# Altium PCB Graviton-EC2.PcbDoc (part 1 of 12) (continued)
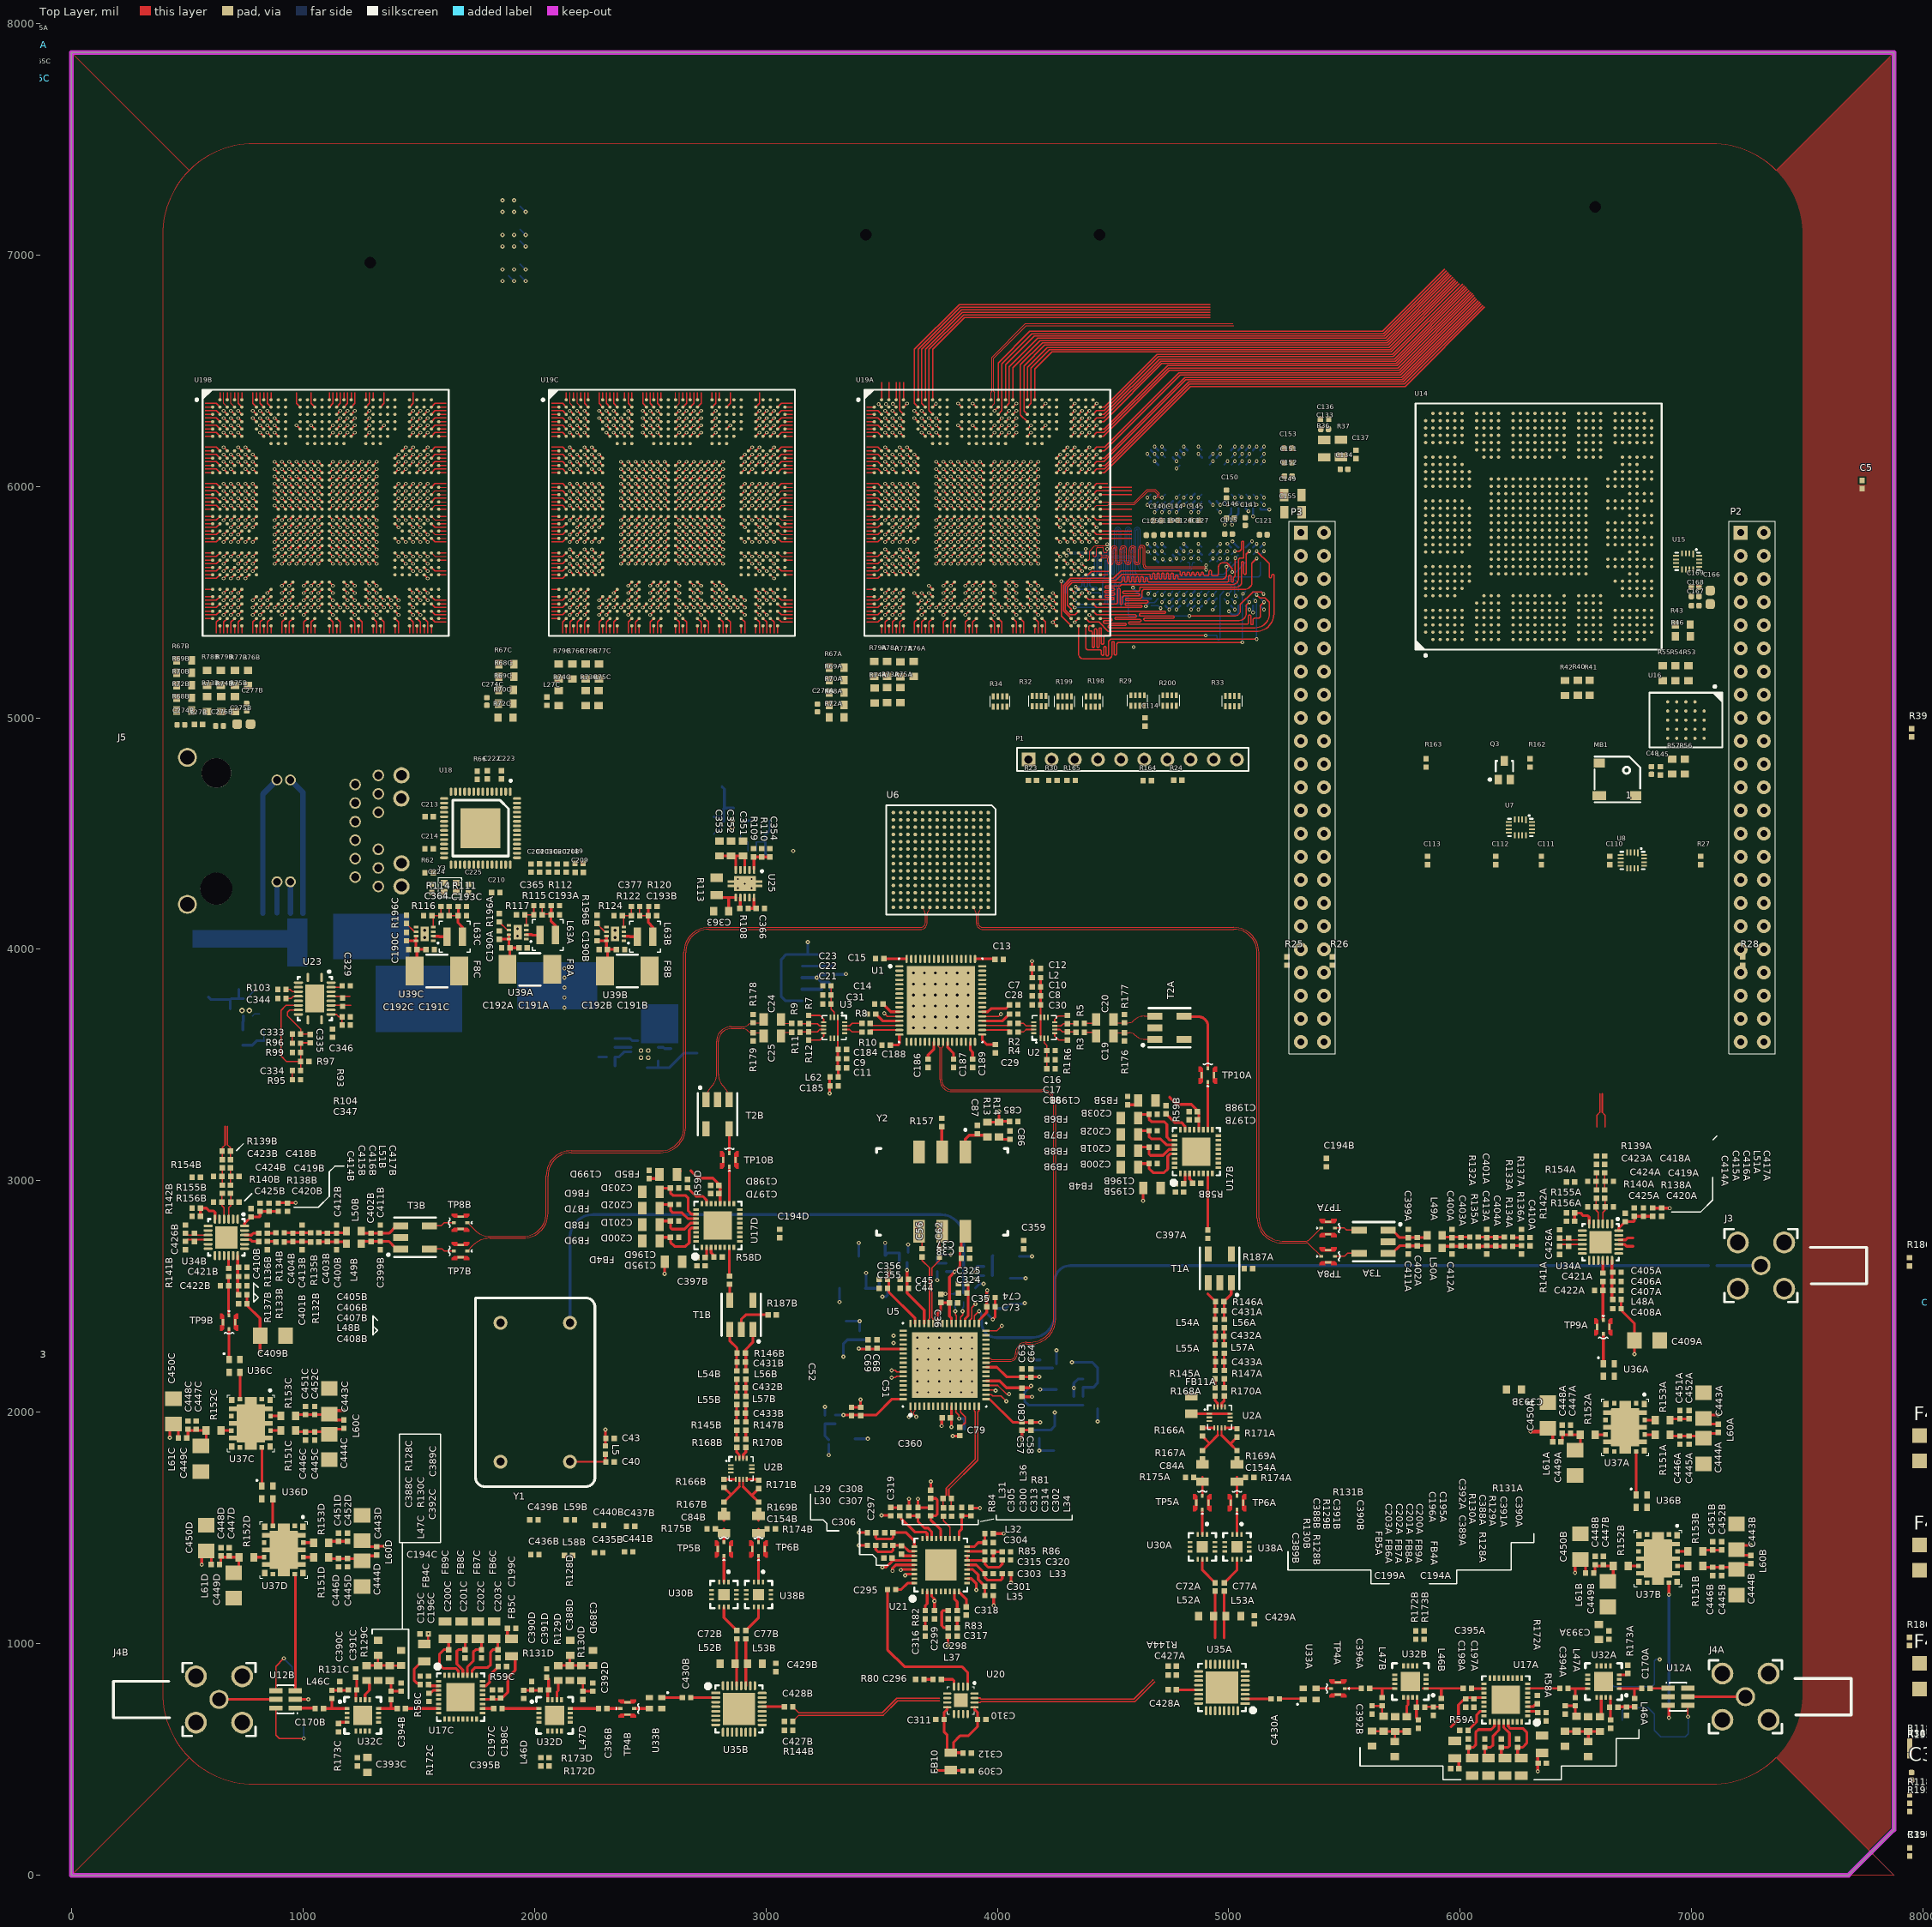
[diagram p0: Top Layer view]
## Design rules (kind name [scope] priority, off if disabled: settings) (continued)
RoomDefinition U_clock-dist [InComponentClass('U_clock-dist')] p64: confinementstyle=ConfineIn formatcopy=TRUE lockcomponents=FALSE outline 7851.17,4738.49 9819.68,4738.49 9819.68,5132.19 7851.17,5132.19
RoomDefinition U_clock [InComponentClass('U_clock')] p65: confinementstyle=ConfineIn formatcopy=TRUE lockcomponents=FALSE outline 15795.28,-1618.11 18622.05,-1618.11 18622.05,1854.33 15795.28,1854.33
RoomDefinition U_ADC [InComponentClass('U_ADC')] p66: confinementstyle=ConfineIn formatcopy=TRUE lockcomponents=FALSE outline 15962.4,4966.54 15962.4,7761.81 15273.43,7761.81 15273.43,4966.54
RoomDefinition CONFIGPWR [InComponentClass('CONFIGPWR')] p67: confinementstyle=ConfineIn formatcopy=TRUE lockcomponents=FALSE outline 7949.6,2376.28 11788.18,2376.28 11788.18,2671.56 7949.6,2671.56
RoomDefinition CONFIG8 [InComponentClass('CONFIG8')] p68: confinementstyle=ConfineIn formatcopy=TRUE lockcomponents=FALSE outline 98.43,19232.28 6791.34,19232.28 6791.34,19822.83 98.43,19822.83
RoomDefinition CONFIG2 [InComponentClass('CONFIG2')] p69: confinementstyle=ConfineIn formatcopy=TRUE lockcomponents=FALSE outline 9271.65,13149.61 11133.86,13149.61 11133.86,13480.32 9271.65,13480.32
RoomDefinition CONFIG0 [InComponentClass('CONFIG0')] p70: confinementstyle=ConfineIn formatcopy=TRUE lockcomponents=FALSE outline 15425.2,16244.09 17503.94,16244.09 17503.94,17035.43 15425.2,17035.43
RoutingVias BGA [WithinRoom('BGA_U19A') Or WithinRoom('BGA_U19B') Or WithinRoom('BGA_U19C')] p1: holewidth=6 width=12 viastyle="Through Hole" minholewidth=6 minwidth=12 maxholewidth=6 maxwidth=12
RoutingVias [All] p2: holewidth=28 width=50 viastyle="Through Hole" minholewidth=28 minwidth=50 maxholewidth=28 maxwidth=50
SilkToSolderMaskClearance SilkscreenOverComponentPads [IsPad] p1: minsilkscreentomaskgap=10 clearancetoexposedcopper=TRUE
SolderMaskExpansion [All] p1: expansion=4
Width Width_BGA [WithinRoom('BGA_U19A') Or WithinRoom('BGA_U19B') Or WithinRoom('BGA_U19C')] p1: maxlimit=4.72 minlimit=4.72 preferedwidth=4.72
Width [All] p2: maxlimit=19685.04 minlimit=3 preferedwidth=5.51 toplayer_prefwidth=4.72 bottomlayer_prefwidth=4.72 minimp=50.000000 maximp=50.000000 favimp=50.000000
23 further rules are at their usual default settings.

## Classes and differential pairs
net class DDR-ALL: BANK3-DDRCTRL.CASN BANK3-DDRCTRL.CKE BANK3-DDRCTRL.CLK_N BANK3-DDRCTRL.CLK_P BANK3-DDRCTRL.CSN BANK3-DDRCTRL.ODT BANK3-DDRCTRL.RASN BANK3-DDRCTRL.RSTN BANK3-DDRCTRL.WEN BANK3-DQS32.DQM0 BANK3-DQS32.DQM1 BANK3-DQS32.DQM2 BANK3-DQS32.DQM3 BANK3-DQS32.DQS0_N BANK3-DQS32.DQS0_P BANK3-DQS32.DQS1_N BANK3-DQS32.DQS1_P BANK3-DQS32.DQS2_N BANK3-DQS32.DQS2_P BANK3-DQS32.DQS3_N BANK3-DQS32.DQS3_P DDR-A0 DDR-A1 DDR-A2 DDR-A3 DDR-A4 DDR-A5 DDR-A6 DDR-A7 DDR-A8 DDR-A9 DDR-A10 DDR-A11 DDR-A12 DDR-A13 DDR-A14 DDR-A15 DDR-BA0 DDR-BA1 DDR-BA2 DDR-D0 DDR-D1 DDR-D2 DDR-D3 DDR-D4 DDR-D5 DDR-D6 DDR-D7 DDR-D8 DDR-D9 DDR-D10 DDR-D11 DDR-D12 DDR-D13 DDR-D14 DDR-D15 DDR-D16 DDR-D17 DDR-D18 DDR-D19 DDR-D20 DDR-D21 DDR-D22 DDR-D23 DDR-D24 DDR-D25 DDR-D26 DDR-D27 DDR-D28 DDR-D29 DDR-D30 DDR-D31
net class DDR-DQS0: BANK3-DQS32.DQM0 BANK3-DQS32.DQS0_N BANK3-DQS32.DQS0_P DDR-D0 DDR-D1 DDR-D2 DDR-D3 DDR-D4 DDR-D5 DDR-D6 DDR-D7
net class DDR-DQS1: BANK3-DQS32.DQM1 BANK3-DQS32.DQS1_N BANK3-DQS32.DQS1_P DDR-D8 DDR-D9 DDR-D10 DDR-D11 DDR-D12 DDR-D13 DDR-D14 DDR-D15
net class DDR-DQS2: BANK3-DQS32.DQM2 BANK3-DQS32.DQS2_N BANK3-DQS32.DQS2_P DDR-D16 DDR-D17 DDR-D18 DDR-D19 DDR-D20 DDR-D21 DDR-D22 DDR-D23
net class DDR-DQS3: BANK3-DQS32.DQM3 BANK3-DQS32.DQS3_N BANK3-DQS32.DQS3_P DDR-D24 DDR-D25 DDR-D26 DDR-D27 DDR-D28 DDR-D29 DDR-D30 DDR-D31
net class DDR-DQS: BANK3-DQS32.DQS0_N BANK3-DQS32.DQS0_P BANK3-DQS32.DQS1_N BANK3-DQS32.DQS1_P BANK3-DQS32.DQS2_N BANK3-DQS32.DQS2_P BANK3-DQS32.DQS3_N BANK3-DQS32.DQS3_P
net class digital: ADC-CTRL-3V3.CTRL1 ADC-CTRL-3V3.CTRL2 ADC-CTRL-3V3.RESET ADC-CTRL-3V3.SCLK ADC-CTRL-3V3.SDATA ADC-CTRL-3V3.SDOUT ADC-CTRL-3V3.SEN ADC-CTRL.CTRL1 ADC-CTRL.CTRL2 ADC-CTRL.RESET ADC-CTRL.SCLK ADC-CTRL.SDATA ADC-CTRL.SDOUT ADC-CTRL.SEN ADC-D0_N ADC-D0_P ADC-D1_N ADC-D1_P ADC-D2_N ADC-D2_P ADC-D3_N ADC-D3_P ADC-D4_N ADC-D4_P ADC-D5_N ADC-D5_P ADC-D6_N ADC-D6_P ADC-D7_N ADC-D7_P ADC-D8_N ADC-D8_P ADC-D9_N ADC-D9_P ADC-D10_N ADC-D10_P ADC-D11_N ADC-D11_P ADC-D12_N ADC-D12_P ADC-D13_N ADC-D13_P ADC-D14_N ADC-D14_P ADC-D15_N ADC-D15_P ADC-DCLK_N ADC-DCLK_P ADC-SYNC_N ADC-SYNC_P BANK3-DDRCTRL.CASN BANK3-DDRCTRL.CKE BANK3-DDRCTRL.CLK_N BANK3-DDRCTRL.CLK_P BANK3-DDRCTRL.CSN BANK3-DDRCTRL.ODT BANK3-DDRCTRL.RASN BANK3-DDRCTRL.RSTN BANK3-DDRCTRL.WEN BANK3-DQS32.DQM0 BANK3-DQS32.DQM1 BANK3-DQS32.DQM2 BANK3-DQS32.DQM3 BANK3-DQS32.DQS0_N BANK3-DQS32.DQS0_P BANK3-DQS32.DQS1_N BANK3-DQS32.DQS1_P BANK3-DQS32.DQS2_N BANK3-DQS32.DQS2_P BANK3-DQS32.DQS3_N BANK3-DQS32.DQS3_P BBBGPIO0-30 BBBGPIO0-31 BBBGPIO1-16 BBBGPIO2-11 BBBGPIO2-13 BBBGPIO2-15 BBBGPIO3-14 BBBGPIO3-15 BBBGPIO3-18 CFG_CS1N CFG_CSN CFG_SPI_DQ0 CFG_SPI_DQ1 CFG_SPI_DQ2 CFG_SPI_DQ3 CFG_SPI_SN CFG_WRITEN CLK-CTRL.C\S\ CLK-CTRL.CSN CLK-CTRL.LD1 CLK-CTRL.LD2 CLK-CTRL.RESET CLK-CTRL.SCK CLK-CTRL.SDIO CLK-CTRL.SEL0 CLK-CTRL.SEL1 DAC-CTRL.RESETN DAC-CTRL.SCLK DAC-CTRL.SDENN DAC-CTRL.SDIO DAC-CTRL.SDO DAC-CTRL.SLEEP DAC-CTRL.TXENABLE DAC-LVDS.DAC-D0_N DAC-LVDS.DAC-D0_P DAC-LVDS.DAC-D1_N DAC-LVDS.DAC-D1_P DAC-LVDS.DAC-D2_N DAC-LVDS.DAC-D2_P DAC-LVDS.DAC-D3_N DAC-LVDS.DAC-D3_P DAC-LVDS.DAC-D4_N DAC-LVDS.DAC-D4_P DAC-LVDS.DAC-D5_N DAC-LVDS.DAC-D5_P DAC-LVDS.DAC-D6_N DAC-LVDS.DAC-D6_P DAC-LVDS.DAC-D7_N DAC-LVDS.DAC-D7_P DAC-LVDS.DAC-D8_N DAC-LVDS.DAC-D8_P DAC-LVDS.DAC-D9_N DAC-LVDS.DAC-D9_P DAC-LVDS.DAC-D10_N DAC-LVDS.DAC-D10_P DAC-LVDS.DAC-D11_N DAC-LVDS.DAC-D11_P DAC-LVDS.DAC-D12_N DAC-LVDS.DAC-D12_P DAC-LVDS.DAC-D13_N DAC-LVDS.DAC-D13_P DAC-LVDS.DAC-D14_N DAC-LVDS.DAC-D14_P DAC-LVDS.DAC-D15_N DAC-LVDS.DAC-D15_P DAC-LVDS.DAC-DCLK_N DAC-LVDS.DAC-DCLK_P DAC-LVDS.DAC-FRAME_N DAC-LVDS.DAC-FRAME_P DAC-LVDS.DAC-OSTR_N DAC-LVDS.DAC-OSTR_P DAC-LVDS.DAC-PARITY_N DAC-LVDS.DAC-PARITY_P DAC-LVDS.DAC-SYNC_N DAC-LVDS.DAC-SYNC_P DACCLK_N DACCLK_P DDR-A0 DDR-A1 DDR-A2 DDR-A3 DDR-A4 DDR-A5 DDR-A6 DDR-A7 DDR-A8 DDR-A9 DDR-A10 DDR-A11 DDR-A12 DDR-A13 DDR-A14 DDR-A15 DDR-BA0 DDR-BA1 DDR-BA2 DDR-D0 DDR-D1 DDR-D2 DDR-D3 DDR-D4 DDR-D5 DDR-D6 DDR-D7 DDR-D8 DDR-D9 DDR-D10 DDR-D11 DDR-D12 DDR-D13 DDR-D14 DDR-D15 DDR-D16 DDR-D17 DDR-D18 DDR-D19 DDR-D20 DDR-D21 DDR-D22 DDR-D23 DDR-D24 DDR-D25 DDR-D26 DDR-D27 DDR-D28 DDR-D29 DDR-D30 DDR-D31 DDRCC2.S0C DDRCC2.S1C DDRCC2.S2C DDRCC2.S3C DDRCC2.S4C DDRCC2.S5C DDRCC2.S6C DDRCC2.S7C DDRCC2.S8C DDRCC2.S9C DDRCC2.S10C DDRCC2.S11C DDRCC2.S12C DDRCC2.S13C DDRCC2.S14C DDRCC2.S15C DDRCC2.S16C DDRCC2.S17C DDRCC2.S18C DDRCC2.S19C DDRCC2.S20C DDRCC2.S21C DDRCC2.S22C DDRCC2.S23C DDRCC2.S24C DDRCC2.S25C DDRCC2.S26C DDRCC2.S27C DDRCC2.S28C DDRCC2.S29C DDRCC2.S30C DDRCC2.S31C DDRCC2.S32C DDRCC2.S33C DDRCC2.S34C DDRCC2.S35C DDRCC2.S36C DDRCC2.S37C DDRCC2.S38C DDRCC2.S39C DDRCC2.S40C DDRCC2.S41C DDRCC2.S42C DDRCC2.S43C DDRCC2.S44C DDRCC2.S45C DDRCC2.S46C DDRCC6.S47A DDRCC6.S47B DDRCC6.S47C DDRCC7.S0B DDRCC7.S1B DDRCC7.S2B DDRCC7.S3B DDRCC7.S4B DDRCC7.S5B DDRCC7.S6B DDRCC7.S7B DDRCC7.S8B DDRCC7.S9B DDRCC7.S10B DDRCC7.S11B DDRCC7.S12B DDRCC7.S13B DDRCC7.S14B DDRCC7.S15B DDRCC7.S16B DDRCC7.S17B DDRCC7.S18B DDRCC7.S19B DDRCC7.S20B DDRCC7.S21B DDRCC7.S22B DDRCC7.S23B DDRCC7.S24B DDRCC7.S25B DDRCC7.S26B DDRCC7.S27B DDRCC7.S28B DDRCC7.S29B DDRCC7.S30B DDRCC7.S31B DDRCC7.S32B DDRCC7.S33B DDRCC7.S34B DDRCC7.S35B DDRCC7.S36B DDRCC7.S37B DDRCC7.S38B DDRCC7.S39B DDRCC7.S40B DDRCC7.S41B DDRCC7.S42B DDRCC7.S43B DDRCC7.S44B DDRCC7.S45B DDRCC7.S46B DDRVREF DDRVTT DSA-CTRL0.D3 DSA-CTRL0.D4 DSA-CTRL0.D5 DSA-CTRL0.D6 DSA-CTRL1.D3 DSA-CTRL1.D4 DSA-CTRL1.D5 DSA-CTRL1.D6 DSA-CTRL2.D3 DSA-CTRL2.D4 DSA-CTRL2.D5 DSA-CTRL2.D6 DSA-CTRL3.D3 DSA-CTRL3.D4 DSA-CTRL3.D5 DSA-CTRL3.D6 ENET2-DDRCC6.S0 ENET2-DDRCC6.S1 ENET2-DDRCC6.S2 ENET2-DDRCC6.S3 ENET2-DDRCC6.S4 ENET2-DDRCC6.S5 ENET2-DDRCC6.S6 ENET2-DDRCC6.S7 ENET2-DDRCC6.S8 ENET2-DDRCC6.S9 ENET2-DDRCC6.S10 ENET2-DDRCC6.S11 ENET2-DDRCC6.S12 ENET2-DDRCC6.S13 ENET2-DDRCC6.S14 ENET2-DDRCC6.S15 ENET2-DDRCC6.S16 ENET2-DDRCC6.S41 ENET2-DDRCC6.S42 ENET2-DDRCC6.S43 ENET2-DDRCC6.S44 ENET2-DDRCC6.S45 ENET2-DDRCC6.S46 FPGA-CLK0_N FPGA-CLK0_P FPGA-CLK1_N FPGA-CLK1_P FPGA-CLK2_N FPGA-CLK2_P FPGA-CLK-SRC_N FPGA-CLK-SRC_P FPGA-JTAG-TCK-3V3 FPGA-JTAG-TDI-3V3 FPGA-JTAG-TDO-3V3 FPGA-JTAG-TMS-3V3 FPGA-JTAG.TDIA FPGA-JTAG.TDIB FPGA-JTAG.TDO FPGACFG0.CCLK FPGACFG0.DI FPGACFG0.DONE FPGACFG0.DOUT FPGACFG0.INITN FPGACFG0.PROGN FPGACFG1.CCLK FPGACFG1.DI FPGACFG1.DONE FPGACFG1.DOUT FPGACFG1.INITN FPGACFG1.PROGN FPGACFG2.CCLK FPGACFG2.DI FPGACFG2.DONE FPGACFG2.DOUT FPGACFG2.INITN FPGACFG2.PROGN FPGACFG3.CCLK FPGACFG3.DI FPGACFG3.DONE FPGACFG3.DOUT FPGACFG3.INITN FPGACFG3.PROGN FPGACFG4.CCLK FPGACFG4.DI FPGACFG4.DONE FPGACFG4.DOUT FPGACFG4.INITN FPGACFG4.PROGN FPGACFG5.CCLK FPGACFG5.DI FPGACFG5.DONE FPGACFG5.DOUT FPGACFG5.INITN FPGACFG5.PROGN FPGACFG6.CCLK FPGACFG6.DI FPGACFG6.DONE FPGACFG6.DOUT FPGACFG6.INITN FPGACFG6.PROGN FPGACFG7.CCLK FPGACFG7.DI FPGACFG7.DONE FPGACFG7.DOUT FPGACFG7.INITN FPGACFG7.PROGN GPIO6.D0A GPIO6.D0B GPIO6.D0C GPIO6.D1A GPIO6.D1B GPIO6.D1C GPIO6.D2A GPIO6.D2B GPIO6.D2C GPIO6.D3A GPIO6.D3B GPIO6.D3C GPIO6.D4A GPIO6.D4B GPIO6.D4C GPIO6.D5A GPIO6.D5B GPIO6.D5C GPIO6.D6A GPIO6.D6B GPIO6.D6C GPIO6.D7A GPIO6.D7B GPIO6.D7C GPIO6.D8A GPIO6.D8B GPIO6.D8C GPIO6.D9A GPIO6.D9B GPIO6.D9C GPIO6.D10A GPIO6.D10B GPIO6.D10C GPIO6.D11A GPIO6.D11B GPIO6.D11C GPIO6.D12A GPIO6.D12B GPIO6.D12C GPIO6.D13A GPIO6.D13B GPIO6.D13C GPIO6.D14A GPIO6.D14B GPIO6.D14C GPIO8.D0A GPIO8.D0B GPIO8.D1A GPIO8.D1B GPIO8.D2A GPIO8.D2B GPIO8.D3A GPIO8.D3B GPIO8.D4A GPIO8.D4B GPIO8.D5A GPIO8.D5B GPIO8.D6A GPIO8.D6B GPIO8.D7A GPIO8.D7B GPMC.S0 GPMC.S2 GPMC.S3 GPMC.S4 GPMC.S5 GPMC.S6 GPMC.S7 GPMC.S8 GPMC.S9 GPMC.S10 GPMC.S11 GPMC.S12 GPMC.S13 GPMC.S14 GPMC.S15 GPMC.S16 GPMC.S17 GPMC.S18 GPMC.S19 GPMC.S20 GPMC.S21 GPMC.S22 I2C1-SCL-EXT I2C2-SCL-EXT INTER-JTAG.TCK INTER-JTAG.TDI INTER-JTAG.TDO INTER-JTAG.TMS JTAG.TDI LED0 LED1 LED2 LED3 MDI0_N MDI0_P MDI1_N MDI1_P MDI2_N MDI2_P MDI3_N MDI3_P MISOA MISOB MISOC MOSIA MOSIB MOSIC P1A-DDRCCCLK_N P1A-DDRCCCLK_P P1A-SDRCCCLK_N P1A-SDRCCCLK_P P1A.DDRCC.S2 P1A.DDRCC.S3 P1A.DDRCC.S4 P1A.DDRCC.S5 P1A.DDRCC.S6 P1A.DDRCC.S7 P1A.DDRCC.S8 P1A.DDRCC.S9 P1A.DDRCC.S10 P1A.DDRCC.S11 P1A.DDRCC.S12 P1A.DDRCC.S13 P1A.DDRCC.S14 P1A.DDRCC.S15 P1A.DDRCC.S16 P1A.DDRCC.S17 P1A.DDRCC.S18 P1A.DDRCC.S19 P1A.DDRCC.S20 P1A.DDRCC.S21 P1A.DDRCC.S22 P1A.DDRCC.S23 P1A.DDRCC.S24 P1A.DDRCC.S25 P1A.DDRCC.S26 P1A.DDRCC.S27 P1A.DDRCC.S28 P1A.DDRCC.S29 P1A.DDRCC.S30 P1A.DDRCC.S31 P1A.DDRCC.S32 P1A.DDRCC.S33 P1A.DDRCC.S34 P1A.DDRCC.S35 P1A.DDRCC.S36 P1A.DDRCC.S37 P1A.DDRCC.S38 P1A.DDRCC.S39 P1A.DDRCC.S40 P1A.DDRCC.S41 P1A.DDRCC.S42 P1A.DDRCC.S43 P1A.DDRCC.S44 P1A.DDRCC.S45 P1A.DDRCC.S46 P1A.SDRCC.S2 P1A.SDRCC.S3 P1A.SDRCC.S4 P1A.SDRCC.S5 P1A.SDRCC.S6 P1A.SDRCC.S7 P1A.SDRCC.S8 P1A.SDRCC.S9 P1A.SDRCC.S10 P1A.SDRCC.S11 P1A.SDRCC.S12 P1A.SDRCC.S13 P1A.SDRCC.S14 P1A.SDRCC.S15 P1A.SDRCC.S16 P1A.SDRCC.S17 P1A.SDRCC.S18 P1A.SDRCC.S19 P1A.SDRCC.S20 P1A.SDRCC.S21 P1A.SDRCC.S22 P1B-DDRCCCLK_N P1B-DDRCCCLK_P P1B-SDRCCCLK_N P1B-SDRCCCLK_P P1B.DDRCC.S2 P1B.DDRCC.S3 P1B.DDRCC.S4 P1B.DDRCC.S5 P1B.DDRCC.S6 P1B.DDRCC.S7 P1B.DDRCC.S8 P1B.DDRCC.S9 P1B.DDRCC.S10 P1B.DDRCC.S11 P1B.DDRCC.S12 P1B.DDRCC.S13 P1B.DDRCC.S14 P1B.DDRCC.S15 P1B.DDRCC.S16 P1B.DDRCC.S17 P1B.DDRCC.S18 P1B.DDRCC.S19 P1B.DDRCC.S20 P1B.DDRCC.S21 P1B.DDRCC.S22 P1B.DDRCC.S23 P1B.DDRCC.S24 P1B.DDRCC.S25 P1B.DDRCC.S26 P1B.DDRCC.S27 P1B.DDRCC.S28 P1B.DDRCC.S29 P1B.DDRCC.S30 P1B.DDRCC.S31 P1B.DDRCC.S32 P1B.DDRCC.S33 P1B.DDRCC.S34 P1B.DDRCC.S35 P1B.DDRCC.S36 P1B.DDRCC.S37 P1B.DDRCC.S38 P1B.DDRCC.S39 P1B.DDRCC.S40 P1B.DDRCC.S41 P1B.DDRCC.S42 P1B.DDRCC.S43 P1B.DDRCC.S44 P1B.DDRCC.S45 P1B.DDRCC.S46 P1B.SDRCC.S2 P1B.SDRCC.S3 P1B.SDRCC.S4 P1B.SDRCC.S5 P1B.SDRCC.S6 P1B.SDRCC.S7 P1B.SDRCC.S8 P1B.SDRCC.S9 P1B.SDRCC.S10 P1B.SDRCC.S11 P1B.SDRCC.S12 P1B.SDRCC.S13 P1B.SDRCC.S14 P1B.SDRCC.S15 P1B.SDRCC.S16 P1B.SDRCC.S17 P1B.SDRCC.S18 P1B.SDRCC.S19 P1B.SDRCC.S20 P1B.SDRCC.S21 P1B.SDRCC.S22 P2A-DDRCCCLK_N P2A-DDRCCCLK_P P2A-SDRCCCLK_N P2A-SDRCCCLK_P P2A.DDRCC.S2 P2A.DDRCC.S3 P2A.DDRCC.S4 P2A.DDRCC.S5 P2A.DDRCC.S6 P2A.DDRCC.S7 P2A.DDRCC.S8 P2A.DDRCC.S9 P2A.DDRCC.S10 P2A.DDRCC.S11 P2A.DDRCC.S12 P2A.DDRCC.S13 P2A.DDRCC.S14 P2A.DDRCC.S15 P2A.DDRCC.S16 P2A.DDRCC.S17 P2A.DDRCC.S18 P2A.DDRCC.S19 P2A.DDRCC.S20 P2A.DDRCC.S21 P2A.DDRCC.S22 P2A.DDRCC.S23 P2A.DDRCC.S24 P2A.DDRCC.S25 P2A.DDRCC.S26 P2A.DDRCC.S27 P2A.DDRCC.S28 P2A.DDRCC.S29 P2A.DDRCC.S30 P2A.DDRCC.S31 P2A.DDRCC.S32 P2A.DDRCC.S33 P2A.DDRCC.S34 P2A.DDRCC.S35 P2A.DDRCC.S36 P2A.DDRCC.S37 P2A.DDRCC.S38 P2A.DDRCC.S39 P2A.DDRCC.S40 P2A.DDRCC.S41 P2A.DDRCC.S42 P2A.DDRCC.S43 P2A.DDRCC.S44 P2A.DDRCC.S45 P2A.DDRCC.S46 P2A.SDRCC.S2 P2A.SDRCC.S3 P2A.SDRCC.S4 P2A.SDRCC.S5 P2A.SDRCC.S6 P2A.SDRCC.S7 P2A.SDRCC.S8 P2A.SDRCC.S9 P2A.SDRCC.S10 P2A.SDRCC.S11 P2A.SDRCC.S12 P2A.SDRCC.S13 P2A.SDRCC.S14 P2A.SDRCC.S15 P2A.SDRCC.S16 P2A.SDRCC.S17 P2A.SDRCC.S18 P2A.SDRCC.S19 P2A.SDRCC.S20 P2A.SDRCC.S21 P2A.SDRCC.S22 P2B-DDRCCCLK_N P2B-DDRCCCLK_P P2B-SDRCCCLK_N P2B-SDRCCCLK_P P2B.DDRCC.S2 P2B.DDRCC.S3 P2B.DDRCC.S4 P2B.DDRCC.S5 P2B.DDRCC.S6 P2B.DDRCC.S7 P2B.DDRCC.S8 P2B.DDRCC.S9 P2B.DDRCC.S10 P2B.DDRCC.S11 P2B.DDRCC.S12 P2B.DDRCC.S13 P2B.DDRCC.S14 P2B.DDRCC.S15 P2B.DDRCC.S16 P2B.DDRCC.S17 P2B.DDRCC.S18 P2B.DDRCC.S19 P2B.DDRCC.S20 P2B.DDRCC.S21 P2B.DDRCC.S22 P2B.DDRCC.S23 P2B.DDRCC.S24 P2B.DDRCC.S25 P2B.DDRCC.S26 P2B.DDRCC.S27 P2B.DDRCC.S28 P2B.DDRCC.S29 P2B.DDRCC.S30 P2B.DDRCC.S31 P2B.DDRCC.S32 P2B.DDRCC.S33 P2B.DDRCC.S34 P2B.DDRCC.S35 P2B.DDRCC.S36 P2B.DDRCC.S37 P2B.DDRCC.S38 P2B.DDRCC.S39 P2B.DDRCC.S40 P2B.DDRCC.S41 P2B.DDRCC.S42 P2B.DDRCC.S43 P2B.DDRCC.S44 P2B.DDRCC.S45 P2B.DDRCC.S46 P2B.SDRCC.S2 P2B.SDRCC.S3 P2B.SDRCC.S4 P2B.SDRCC.S5 P2B.SDRCC.S6 P2B.SDRCC.S7 P2B.SDRCC.S8 P2B.SDRCC.S9 P2B.SDRCC.S10 P2B.SDRCC.S11 P2B.SDRCC.S12 P2B.SDRCC.S13 P2B.SDRCC.S14 P2B.SDRCC.S15 P2B.SDRCC.S16 P2B.SDRCC.S17 P2B.SDRCC.S18 P2B.SDRCC.S19 P2B.SDRCC.S20 P2B.SDRCC.S21 P2B.SDRCC.S22 RX2-BANK3-DDRCTRL.CASN RX2-BANK3-DDRCTRL.CKE RX2-BANK3-DDRCTRL.CLK_N RX2-BANK3-DDRCTRL.CLK_P RX2-BANK3-DDRCTRL.CSN RX2-BANK3-DDRCTRL.ODT RX2-BANK3-DDRCTRL.RASN RX2-BANK3-DDRCTRL.RSTN RX2-BANK3-DQ32.DQ6_G3 RX2-BANK3-DQ32.DQ7_G3 RX2-BANK3-DQS32.DQM0 RX2-BANK3-DQS32.DQM1 RX2-BANK3-DQS32.DQM2 RX2-BANK3-DQS32.DQM3 RX2-BANK3-DQS32.DQS3_N RX2-BANK3-DQS32.DQS3_P RX2-BANK4-DB3.B0 RX2-BANK4-DB3.B1 RX2-BANK4-DB3.B2 RX2-DDRCC6.S0 RX2-DDRCC6.S1 RX2-DDRCC6.S2 RX2-DDRCC6.S3 RX2-DDRCC6.S4 RX2-DDRCC6.S5 RX2-DDRCC6.S6 RX2-DDRCC6.S7 RX2-DDRCC6.S8 RX2-DDRCC6.S9 RX2-DDRCC6.S10 RX2-DDRCC6.S11 RX2-DDRCC6.S12 RX2-DDRCC6.S13 RX2-DDRCC6.S14 RX2-DDRCC6.S15 RX2-DDRCC6.S16 RX2-DDRCC6.S40 RX2-DDRCC6.S41 RX2-DDRCC6.S42 RX2-DDRCC6.S43 RX2-DDRCC6.S44 RX2-DDRCC6.S45 RX2-DDRCC6.S46 SDRCC0.S0B SDRCC0.S1B SDRCC0.S2B SDRCC0.S3B SDRCC0.S4B SDRCC0.S5B SDRCC0.S6B SDRCC0.S7B SDRCC0.S8B SDRCC0.S9B SDRCC0.S10B SDRCC0.S11B SDRCC0.S12B SDRCC0.S13B SDRCC0.S14B SDRCC0.S15B SDRCC0.S16B SDRCC0.S17B SDRCC0.S18B SDRCC0.S19B SDRCC0.S20B SDRCC0.S21B SDRCC0.S22B SDRCC1.S0C SDRCC1.S1C SDRCC1.S2C SDRCC1.S3C SDRCC1.S4C SDRCC1.S5C SDRCC1.S6C SDRCC1.S7C SDRCC1.S8C SDRCC1.S9C SDRCC1.S10C SDRCC1.S11C SDRCC1.S12C SDRCC1.S13C SDRCC1.S14C SDRCC1.S15C SDRCC1.S16C SDRCC1.S17C SDRCC1.S18C SDRCC1.S19C SDRCC1.S20C SDRCC1.S21C SDRCC1.S22C SPI1_CS0 SPI1_D1 TX2-BANK3-DDRCTRL.CASN TX2-BANK3-DDRCTRL.CKE TX2-BANK3-DDRCTRL.CLK_N TX2-BANK3-DDRCTRL.CLK_P TX2-BANK3-DDRCTRL.CSN TX2-BANK3-DDRCTRL.ODT TX2-BANK3-DDRCTRL.RASN TX2-BANK3-DDRCTRL.RSTN TX2-BANK3-DQS32.DQM2 TX2-BANK3-DQS32.DQM3 TX2-BANK4-DA16.A0 TX2-BANK4-DA16.A1 TX2-BANK4-DA16.A2 TX2-BANK4-DA16.A3 TX2-BANK4-DA16.A4 TX2-BANK4-DA16.A5 TX2-BANK4-DA16.A6 TX2-BANK4-DA16.A7 TX2-BANK4-DA16.A8 TX2-BANK4-DA16.A9 TX2-BANK4-DA16.A10 TX2-BANK4-DA16.A11 TX2-BANK4-DA16.A12 TX2-BANK4-DA16.A13 TX2-BANK4-DA16.A14 TX2-BANK4-DA16.A15 TX2-BANK4-DB3.B0 TX2-BANK4-DB3.B1 TX2-BANK4-DB3.B2 TX2-DDRCC6.S0 TX2-DDRCC6.S1 TX2-DDRCC6.S2 TX2-DDRCC6.S3 TX2-DDRCC6.S4 TX2-DDRCC6.S5 TX2-DDRCC6.S6 TX2-DDRCC6.S7 TX2-DDRCC6.S8 TX2-DDRCC6.S9 TX2-DDRCC6.S10 TX2-DDRCC6.S11 TX2-DDRCC6.S12 TX2-DDRCC6.S13 TX2-DDRCC6.S14 TX2-DDRCC6.S15 TX2-DDRCC6.S16 TX2-DDRCC6.S40 TX2-DDRCC6.S41 TX2-DDRCC6.S42 TX2-DDRCC6.S43 TX2-DDRCC6.S44 TX2-DDRCC6.S45 TX2-DDRCC6.S46 UART0-RX UART0-TX
net class GPIO8: GPIO8.D0B GPIO8.D1B GPIO8.D2B GPIO8.D3B GPIO8.D4B GPIO8.D5B GPIO8.D6B GPIO8.D7B
net class GPMC: GPMC.S0 GPMC.S2 GPMC.S3 GPMC.S4 GPMC.S5 GPMC.S6 GPMC.S7 GPMC.S8 GPMC.S9 GPMC.S10 GPMC.S11 GPMC.S12 GPMC.S13 GPMC.S14 GPMC.S15 GPMC.S16 GPMC.S17 GPMC.S18 GPMC.S19 GPMC.S20 GPMC.S21 GPMC.S22
net class P1A.DDRCC: P1A.DDRCC.S2 P1A.DDRCC.S3 P1A.DDRCC.S4 P1A.DDRCC.S5 P1A.DDRCC.S6 P1A.DDRCC.S7 P1A.DDRCC.S8 P1A.DDRCC.S9 P1A.DDRCC.S10 P1A.DDRCC.S11 P1A.DDRCC.S12 P1A.DDRCC.S13 P1A.DDRCC.S14 P1A.DDRCC.S15 P1A.DDRCC.S16 P1A.DDRCC.S17 P1A.DDRCC.S18 P1A.DDRCC.S19 P1A.DDRCC.S20 P1A.DDRCC.S21 P1A.DDRCC.S22 P1A.DDRCC.S23 P1A.DDRCC.S24 P1A.DDRCC.S25 P1A.DDRCC.S26 P1A.DDRCC.S27 P1A.DDRCC.S28 P1A.DDRCC.S29 P1A.DDRCC.S30 P1A.DDRCC.S31 P1A.DDRCC.S32 P1A.DDRCC.S33 P1A.DDRCC.S34 P1A.DDRCC.S35 P1A.DDRCC.S36 P1A.DDRCC.S37 P1A.DDRCC.S38 P1A.DDRCC.S39 P1A.DDRCC.S40 P1A.DDRCC.S41 P1A.DDRCC.S42 P1A.DDRCC.S43 P1A.DDRCC.S44 P1A.DDRCC.S45 P1A.DDRCC.S46
net class P1A.SDRCC: P1A.SDRCC.S2 P1A.SDRCC.S3 P1A.SDRCC.S4 P1A.SDRCC.S5 P1A.SDRCC.S6 P1A.SDRCC.S7 P1A.SDRCC.S8 P1A.SDRCC.S9 P1A.SDRCC.S10 P1A.SDRCC.S11 P1A.SDRCC.S12 P1A.SDRCC.S13 P1A.SDRCC.S14 P1A.SDRCC.S15 P1A.SDRCC.S16 P1A.SDRCC.S17 P1A.SDRCC.S18 P1A.SDRCC.S19 P1A.SDRCC.S20 P1A.SDRCC.S21 P1A.SDRCC.S22
net class P1B.DDRCC: P1B.DDRCC.S2 P1B.DDRCC.S3 P1B.DDRCC.S4 P1B.DDRCC.S5 P1B.DDRCC.S6 P1B.DDRCC.S7 P1B.DDRCC.S8 P1B.DDRCC.S9 P1B.DDRCC.S10 P1B.DDRCC.S11 P1B.DDRCC.S12 P1B.DDRCC.S13 P1B.DDRCC.S14 P1B.DDRCC.S15 P1B.DDRCC.S16 P1B.DDRCC.S17 P1B.DDRCC.S18 P1B.DDRCC.S19 P1B.DDRCC.S20 P1B.DDRCC.S21 P1B.DDRCC.S22 P1B.DDRCC.S23 P1B.DDRCC.S24 P1B.DDRCC.S25 P1B.DDRCC.S26 P1B.DDRCC.S27 P1B.DDRCC.S28 P1B.DDRCC.S29 P1B.DDRCC.S30 P1B.DDRCC.S31 P1B.DDRCC.S32 P1B.DDRCC.S33 P1B.DDRCC.S34 P1B.DDRCC.S35 P1B.DDRCC.S36 P1B.DDRCC.S37 P1B.DDRCC.S38 P1B.DDRCC.S39 P1B.DDRCC.S40 P1B.DDRCC.S41 P1B.DDRCC.S42 P1B.DDRCC.S43 P1B.DDRCC.S44 P1B.DDRCC.S45 P1B.DDRCC.S46
net class P1B.SDRCC: P1B.SDRCC.S2 P1B.SDRCC.S3 P1B.SDRCC.S4 P1B.SDRCC.S5 P1B.SDRCC.S6 P1B.SDRCC.S7 P1B.SDRCC.S8 P1B.SDRCC.S9 P1B.SDRCC.S10 P1B.SDRCC.S11 P1B.SDRCC.S12 P1B.SDRCC.S13 P1B.SDRCC.S14 P1B.SDRCC.S15 P1B.SDRCC.S16 P1B.SDRCC.S17 P1B.SDRCC.S18 P1B.SDRCC.S19 P1B.SDRCC.S20 P1B.SDRCC.S21 P1B.SDRCC.S22
net class P2A.DDRCC: P2A.DDRCC.S2 P2A.DDRCC.S3 P2A.DDRCC.S4 P2A.DDRCC.S5 P2A.DDRCC.S6 P2A.DDRCC.S7 P2A.DDRCC.S8 P2A.DDRCC.S9 P2A.DDRCC.S10 P2A.DDRCC.S11 P2A.DDRCC.S12 P2A.DDRCC.S13 P2A.DDRCC.S14 P2A.DDRCC.S15 P2A.DDRCC.S16 P2A.DDRCC.S17 P2A.DDRCC.S18 P2A.DDRCC.S19 P2A.DDRCC.S20 P2A.DDRCC.S21 P2A.DDRCC.S22 P2A.DDRCC.S23 P2A.DDRCC.S24 P2A.DDRCC.S25 P2A.DDRCC.S26 P2A.DDRCC.S27 P2A.DDRCC.S28 P2A.DDRCC.S29 P2A.DDRCC.S30 P2A.DDRCC.S31 P2A.DDRCC.S32 P2A.DDRCC.S33 P2A.DDRCC.S34 P2A.DDRCC.S35 P2A.DDRCC.S36 P2A.DDRCC.S37 P2A.DDRCC.S38 P2A.DDRCC.S39 P2A.DDRCC.S40 P2A.DDRCC.S41 P2A.DDRCC.S42 P2A.DDRCC.S43 P2A.DDRCC.S44 P2A.DDRCC.S45 P2A.DDRCC.S46
net class P2A.SDRCC: P2A.SDRCC.S2 P2A.SDRCC.S3 P2A.SDRCC.S4 P2A.SDRCC.S5 P2A.SDRCC.S6 P2A.SDRCC.S7 P2A.SDRCC.S8 P2A.SDRCC.S9 P2A.SDRCC.S10 P2A.SDRCC.S11 P2A.SDRCC.S12 P2A.SDRCC.S13 P2A.SDRCC.S14 P2A.SDRCC.S15 P2A.SDRCC.S16 P2A.SDRCC.S17 P2A.SDRCC.S18 P2A.SDRCC.S19 P2A.SDRCC.S20 P2A.SDRCC.S21 P2A.SDRCC.S22
net class P2B.DDRCC: P2B.DDRCC.S2 P2B.DDRCC.S3 P2B.DDRCC.S4 P2B.DDRCC.S5 P2B.DDRCC.S6 P2B.DDRCC.S7 P2B.DDRCC.S8 P2B.DDRCC.S9 P2B.DDRCC.S10 P2B.DDRCC.S11 P2B.DDRCC.S12 P2B.DDRCC.S13 P2B.DDRCC.S14 P2B.DDRCC.S15 P2B.DDRCC.S16 P2B.DDRCC.S17 P2B.DDRCC.S18 P2B.DDRCC.S19 P2B.DDRCC.S20 P2B.DDRCC.S21 P2B.DDRCC.S22 P2B.DDRCC.S23 P2B.DDRCC.S24 P2B.DDRCC.S25 P2B.DDRCC.S26 P2B.DDRCC.S27 P2B.DDRCC.S28 P2B.DDRCC.S29 P2B.DDRCC.S30 P2B.DDRCC.S31 P2B.DDRCC.S32 P2B.DDRCC.S33 P2B.DDRCC.S34 P2B.DDRCC.S35 P2B.DDRCC.S36 P2B.DDRCC.S37 P2B.DDRCC.S38 P2B.DDRCC.S39 P2B.DDRCC.S40 P2B.DDRCC.S41 P2B.DDRCC.S42 P2B.DDRCC.S43 P2B.DDRCC.S44 P2B.DDRCC.S45 P2B.DDRCC.S46
net class P2B.SDRCC: P2B.SDRCC.S2 P2B.SDRCC.S3 P2B.SDRCC.S4 P2B.SDRCC.S5 P2B.SDRCC.S6 P2B.SDRCC.S7 P2B.SDRCC.S8 P2B.SDRCC.S9 P2B.SDRCC.S10 P2B.SDRCC.S11 P2B.SDRCC.S12 P2B.SDRCC.S13 P2B.SDRCC.S14 P2B.SDRCC.S15 P2B.SDRCC.S16 P2B.SDRCC.S17 P2B.SDRCC.S18 P2B.SDRCC.S19 P2B.SDRCC.S20 P2B.SDRCC.S21 P2B.SDRCC.S22
component class U_TXPA1B: C443D C444D C445D C446D C447D C448D C449D C450D C451D C452D L60D L61D R151D R152D R153D U36D U37D
component class U_TXPA1A: C443B C444B C445B C446B C447B C448B C449B C450B C451B C452B L60B L61B R151B R152B R153B U36B U37B
component class U_DSA1B: C194D C195D C196D C197D C198D C199D C200D C201D C202D C203D FB4D FB5D FB6D FB7D FB8D FB9D R58D R59D U17D
component class U_DSA0B: C194C C195C C196C C197C C198C C199C C200C C201C C202C C203C FB4C FB5C FB6C FB7C FB8C FB9C R58C R59C U17C
component class FPGA1A: C232B C233B C234B C235B C236B C237B L21B
component class FPGA1B: C232C C233C C234C C235C C236C C237C L21C
component class CONFIG0: U14
component class CONFIG2: C160 C161 C162 C163 C164 C165 L17
component class CONFIG8: C48 C166 C167 C168 C169 C362 C369 C370 F2 J6 L45 R40 R41 R42 R43 R44 R45 R46 R47 R48 R49 R50 R51 R52 R53 R54 R55 R56 R57 U15 U16 U22
component class CONFIGPWR: C171 C172 C173 C174 C175 C176 C177 C178 C179 C180 C181 C182 C183 L18
component class ENET-FPGA: C226A C227A C228A C229A C230A C231A C232A C233A C234A C235A C236A C237A C238A C239A C240A C241A C242A C243A C244A C245A C246A C247A C248A C249A C250A C251A C252A C253A C254A C255A C256A C257A C258A C259A C260A C261A C262A C263A C264A C265A C266A C267A C268A C269A C270A C271A C272A C273A C274A C275A C276A C277A C278A C279A C280A C281A C282A C283A C284A C285A C286A C287A C288A C289A C290A C291A C292A C293A C294A F4A J7A L20A L21A L22A L23A L24A L25A L26A L27A L28A R67A R68A R69A R70A R71A R72A R73A R74A R75A R76A R77A R78A R79A U19A
component class FPGA0A: C226B C227B C228B C229B C230B C231B L20B U19B
component class FPGA0B: C226C C227C C228C C229C C230C C231C L20C U19C
component class FPGA2A: C238B C239B C240B C241B C242B C243B C244B C245B L22B
component class FPGA2B: C238C C239C C240C C241C C242C C243C C244C C245C L22C
component class FPGA3A: C246B C247B C248B C249B C250B C251B C252B C253B L23B
component class FPGA3B: C246C C247C C248C C249C C250C C251C C252C C253C L23C
component class FPGA4A: C254B C255B C256B C257B L24B
component class FPGA4B: C254C C255C C256C C257C L24C
component class FPGA6A: C258B C259B C260B C261B C262B C263B C264B C265B L25B
component class FPGA6B: C258C C259C C260C C261C C262C C263C C264C C265C L25C
component class FPGA7A: C266B C267B C268B C269B C270B C271B C272B C273B L26B
component class FPGA7B: C266C C267C C268C C269C C270C C271C C272C C273C L26C
component class FPGA8A: C274B C275B C276B C277B F4B J7B L27B R67B R68B R69B R70B R71B R72B R73B R74B R75B R76B R77B R78B R79B
component class FPGA8B: C274C C275C C276C C277C F4C J7C L27C R67C R68C R69C R70C R71C R72C R73C R74C R75C R76C R77C R78C R79C
component class FPGAPWRA: C278B C279B C280B C281B C282B C283B C284B C285B C286B C287B C288B C289B C290B C291B C292B C293B C294B L28B
component class FPGAPWRB: C278C C279C C280C C281C C282C C283C C284C C285C C286C C287C C288C C289C C290C C291C C292C C293C C294C L28C
component class U_ADC: C1 C2 C3 C4 C5 C6 C7 C8 C9 C10 C11 C12 C13 C14 C15 C16 C17 C18 C19 C20 C21 C22 C23 C24 C25 C26 C27 C28 C29 C30 C31 C32 C33 C184 C185 C186 C187 C188 C189 L1 L2 L3 L62 R1 R2 R3 R4 R5 R6 R7 R8 R9 R10 R11 R12 R119 R125 R127 R176 R177 R178 R179 R197 U1 U2 U3 U4
component class U_AntennaA: J4A R180A R181A R182A R183A R184A R185A R186A U11A U12A
component class U_AntennaB: J4B R180B R181B R182B R183B R184B R185B R186B U11B U12B
component class U_clock-dist: C156 C157 C158 C159 FB1 R39 U13
component class U_clock: C34 C35 C36 C37 C38 C39 C40 C41 C42 C43 C44 C45 C46 C47 C49 C50 C51 C52 C53 C54 C56 C57 C58 C59 C60 C62 C63 C64 C65 C66 C67 C68 C69 C70 C71 C73 C74 C75 C76 C78 C79 C80 C81 C82 C83 C85 C86 C87 C324 C325 C326 C327 C355 C356 C357 C358 C359 C360 J3 L4 L5 L6 L7 L8 L9 L10 L11 L12 L38 L41 R13 R14 R157 U5 Y1 Y2
component class U_DAC: C88 C89 C90 C91 C92 C93 C94 C95 C96 C97 C98 C99 C100 C101 C102 C103 C104 C105 C106 C107 C108 C109 L13 L14 L15 L16 R15 R16 R17 R18 R19 R20 R21 R22 U6
component class U_DSA0A: C194A C195A C196A C197A C198A C199A C200A C201A C202A C203A FB4A FB5A FB6A FB7A FB8A FB9A R58A R59A U17A
component class U_DSA1A: C194B C195B C196B C197B C198B C199B C200B C201B C202B C203B FB4B FB5B FB6B FB7B FB8B FB9B R58B R59B U17B
component class U_ethernet: C204 C205 C206 C207 C208 C209 C210 C211 C212 C213 C214 C215 C216 C217 C218 C219 C220 C221 C222 C223 C224 C225 J5 L19 R60 R61 R62 R63 R64 R65 R66 R158 R159 R160 R161 U18 Y3
component class U_host-mcu: C110 C111 C112 C113 MB1 P2 P3 Q3 R25 R26 R27 R28 R162 R163 U7 U8
component class U_interlinkP1A: J1
component class U_interlinkP2A: J2
component class U_lo-synth: C295 C296 C297 C298 C299 C300 C301 C302 C303 C304 C305 C306 C307 C308 C309 C310 C311 C312 C313 C314 C315 C316 C317 C318 C319 C320 FB10 L29 L30 L31 L32 L33 L34 L35 L36 L37 R80 R81 R82 R83 R84 R85 R86 R143 R188 R189 R190 R191 R192 R193 R194 R? U20 U21
component class U_power: C321 C322 C323 C328 C329 C330 C331 C332 C333 C334 C335 C336 C337 C338 C339 C340 C341 C342 C343 C344 C345 C346 C347 C348 C349 C350 C351 C352 C353 C354 C363 C364 C365 C366 C367 C368 C377 C378 F1 F3 L39 L40 Q1 Q2 R87 R88 R89 R90 R91 R93 R94 R95 R96 R97 R98 R99 R101 R102 R103 R104 R105 R106 R107 R108 R109 R110 R111 R112 R113 R114 R115 R116 R117 R120 R121 R122 R123 R124 R126 U23 U24 U25
component class U_processing: P1 R23 R24 R30 R100 R164 R165
component class U_RFAMPA: C55A C61A C84A C154A C379A C380A C431A C432A C433A FB11A L54A L55A L56A L57A R92A R118A R145A R146A R147A R166A R167A R168A R169A R170A R171A R174A R175A U2A
component class U_RFAMPB: C55B C61B C84B C154B C379B C380B C431B C432B C433B FB11B L54B L55B L56B L57B R92B R118B R145B R146B R147B R166B R167B R168B R169B R170B R171B R174B R175B U2B
component class U_RFLNA0A: C382A C383A C384A C385A C386A C387A C388A C389A C390A C391A C392A C393A FB12A L46A L47A R128A R129A R130A R131A R172A R173A U31A U32A
component class U_RFLNA1A: C382B C383B C384B C385B C386B C387B C388B C389B C390B C391B C392B C393B FB12B L46B L47B R128B R129B R130B R131B R172B R173B U31B U32B
component class U_RFLNA0B: C382C C383C C384C C385C C386C C387C C388C C389C C390C C391C C392C C393C FB12C L46C L47C R128C R129C R130C R131C R172C R173C U31C U32C
component class U_RFLNA1B: C382D C383D C384D C385D C386D C387D C388D C389D C390D C391D C392D C393D FB12D L46D L47D R128D R129D R130D R131D R172D R173D U31D U32D
component class U_RFRXA: C170A C394A C395A C396A C397A R187A T1A T2A TP4A TP5A TP6A TP10A U33A
component class U_RFRXB: C170B C394B C395B C396B C397B R187B T1B T2B TP4B TP5B TP6B TP10B U33B
component class U_RFTXA: C399A C400A C401A C402A C403A C404A C405A C406A C407A C408A C409A C410A C411A C412A C413A C414A C415A C416A C417A C418A C419A C420A C421A C422A C423A C424A C425A C426A L48A L49A L50A L51A R132A R133A R134A R135A R136A R137A R138A R139A R140A R141A R142A R154A R155A R156A T3A TP7A TP8A TP9A U34A
component class U_RFTXB: C399B C400B C401B C402B C403B C404B C405B C406B C407B C408B C409B C410B C411B C412B C413B C414B C415B C416B C417B C418B C419B C420B C421B C422B C423B C424B C425B C426B L48B L49B L50B L51B R132B R133B R134B R135B R136B R137B R138B R139B R140B R141B R142B R154B R155B R156B T3B TP7B TP8B TP9B U34B
component class U_RXMIXA: C72A C77A C427A C428A C429A C430A C434A C435A C436A C437A C438A C439A C440A C441A C442A L52A L53A L58A L59A R144A R148A R149A R150A R195A U30A U35A U38A
component class U_RXMIXB: C72B C77B C427B C428B C429B C430B C434B C435B C436B C437B C438B C439B C440B C441B C442B L52B L53B L58B L59B R144B R148B R149B R150B R195B U30B U35B U38B
component class U_sdram: C114 C115 C116 C117 C118 C119 C120 C121 C122 C123 C124 C125 C126 C127 C128 C129 C130 C131 C132 C133 C134 C135 C136 C137 C138 C139 C140 C141 C142 C143 C144 C145 C146 C147 C148 C149 C150 C151 C152 C153 C155 R29 R31 R32 R33 R34 R35 R36 R37 R38 R198 R199 R200 U9 U10
component class U_TXPA0A: C443A C444A C445A C446A C447A C448A C449A C450A C451A C452A L60A L61A R151A R152A R153A U36A U37A
component class U_TXPA0B: C443C C444C C445C C446C C447C C448C C449C C450C C451C C452C L60C L61C R151C R152C R153C U36C U37C
net class DDR-A[15..0]: DDR-A0 DDR-A1 DDR-A2 DDR-A3 DDR-A4 DDR-A5 DDR-A6 DDR-A7 DDR-A8 DDR-A9 DDR-A10 DDR-A11 DDR-A12 DDR-A13 DDR-A14 DDR-A15
net class DDR-BA[2..0]: DDR-BA0 DDR-BA1 DDR-BA2
net class DDR-D[31..0]: DDR-D0 DDR-D1 DDR-D2 DDR-D3 DDR-D4 DDR-D5 DDR-D6 DDR-D7 DDR-D8 DDR-D9 DDR-D10 DDR-D11 DDR-D12 DDR-D13 DDR-D14 DDR-D15 DDR-D16 DDR-D17 DDR-D18 DDR-D19 DDR-D20 DDR-D21 DDR-D22 DDR-D23 DDR-D24 DDR-D25 DDR-D26 DDR-D27 DDR-D28 DDR-D29 DDR-D30 DDR-D31
net class NOSWAP: FPGA-CLK0_N FPGA-CLK0_P FPGA-CLK1_N FPGA-CLK1_P FPGA-CLK2_N FPGA-CLK2_P P1A-DDRCCCLK_N P1A-DDRCCCLK_P P1A-SDRCCCLK_N P1A-SDRCCCLK_P P1B-DDRCCCLK_N P1B-DDRCCCLK_P P1B-SDRCCCLK_N P1B-SDRCCCLK_P P2A-DDRCCCLK_N P2A-DDRCCCLK_P P2A-SDRCCCLK_N P2A-SDRCCCLK_P P2B-DDRCCCLK_N P2B-DDRCCCLK_P P2B-SDRCCCLK_N P2B-SDRCCCLK_P
channel class Antenna: U_AntennaA U_AntennaB
channel class DSA: U_DSA0A U_DSA0B U_DSA1A U_DSA1B
channel class fpga-bank0: ENET-FPGA FPGA0A FPGA0B
channel class fpga-bank1: ENET-FPGA FPGA1A FPGA1B
channel class fpga-bank2: ENET-FPGA FPGA2A FPGA2B
channel class fpga-bank3: ENET-FPGA FPGA3A FPGA3B
channel class fpga-bank4: ENET-FPGA FPGA4A FPGA4B
channel class fpga-bank6: ENET-FPGA FPGA6A FPGA6B
channel class fpga-bank7: ENET-FPGA FPGA7A FPGA7B
channel class fpga-bank8: ENET-FPGA FPGA8A FPGA8B
channel class fpga-ground: ENET-FPGA FPGAGND1 FPGAGND2
channel class fpga-misc: ENET-FPGA FPGAMISC1 FPGAMISC2
channel class fpga-power: ENET-FPGA FPGAPWRA FPGAPWRB
channel class fpga-serdes: ENET-FPGA FPGASERDES1 FPGASERDES2
channel class RF-Front: U_RF-Front1 U_RF-Front2
channel class RFAMP: U_RFAMPA U_RFAMPB
channel class RFLNA: U_RFLNA0A U_RFLNA0B U_RFLNA1A U_RFLNA1B
channel class RFRX: U_RFRXA U_RFRXB
channel class RFTX: U_RFTXA U_RFTXB
channel class RXMIX: U_RXMIXA U_RXMIXB
channel class TXPA: U_TXPA0A U_TXPA0B U_TXPA1A U_TXPA1B
component class SW1V2: C190A C191A C192A C193A F8A L63A R196A U39A
component class SW1V5: C190B C191B C192B C193B F8B L63B R196B U39B
component class SW1V8: C190C C191C C192C C193C F8C L63C R196C U39C
component class SW2V5: C190D C191D C192D C193D F8D L63D R196D U39D
component class SW3V3: C190E C191E C192E C193E F8E L63E R196E U39E
channel class switcher: SW1V2 SW1V5 SW1V8 SW2V5 SW3V3
differential pair RAMCLK: +RAMCLK_P -RAMCLK_N
differential pair IOUTD: +IOUTD_P -IOUTD_N
differential pair IOUTC: +IOUTC_P -IOUTC_N
differential pair LO-OSC: +LO-OSC_P -LO-OSC_N
differential pair ADC-AMP-A: +ADC-AMP-A_P -ADC-AMP-A_N
differential pair ADC-AMP-B: +ADC-AMP-B_P -ADC-AMP-B_N
differential pair ADC-CLKIN: +ADC-CLKIN_P -ADC-CLKIN_N
differential pair ADC-D0: +ADC-D0_P -ADC-D0_N
differential pair ADC-D1: +ADC-D1_P -ADC-D1_N
differential pair ADC-D2: +ADC-D2_P -ADC-D2_N